# Altium PCB Spektrop2_PCB_Combined_CMV4000_V1.PcbDoc (part 3 of 6) (continued)
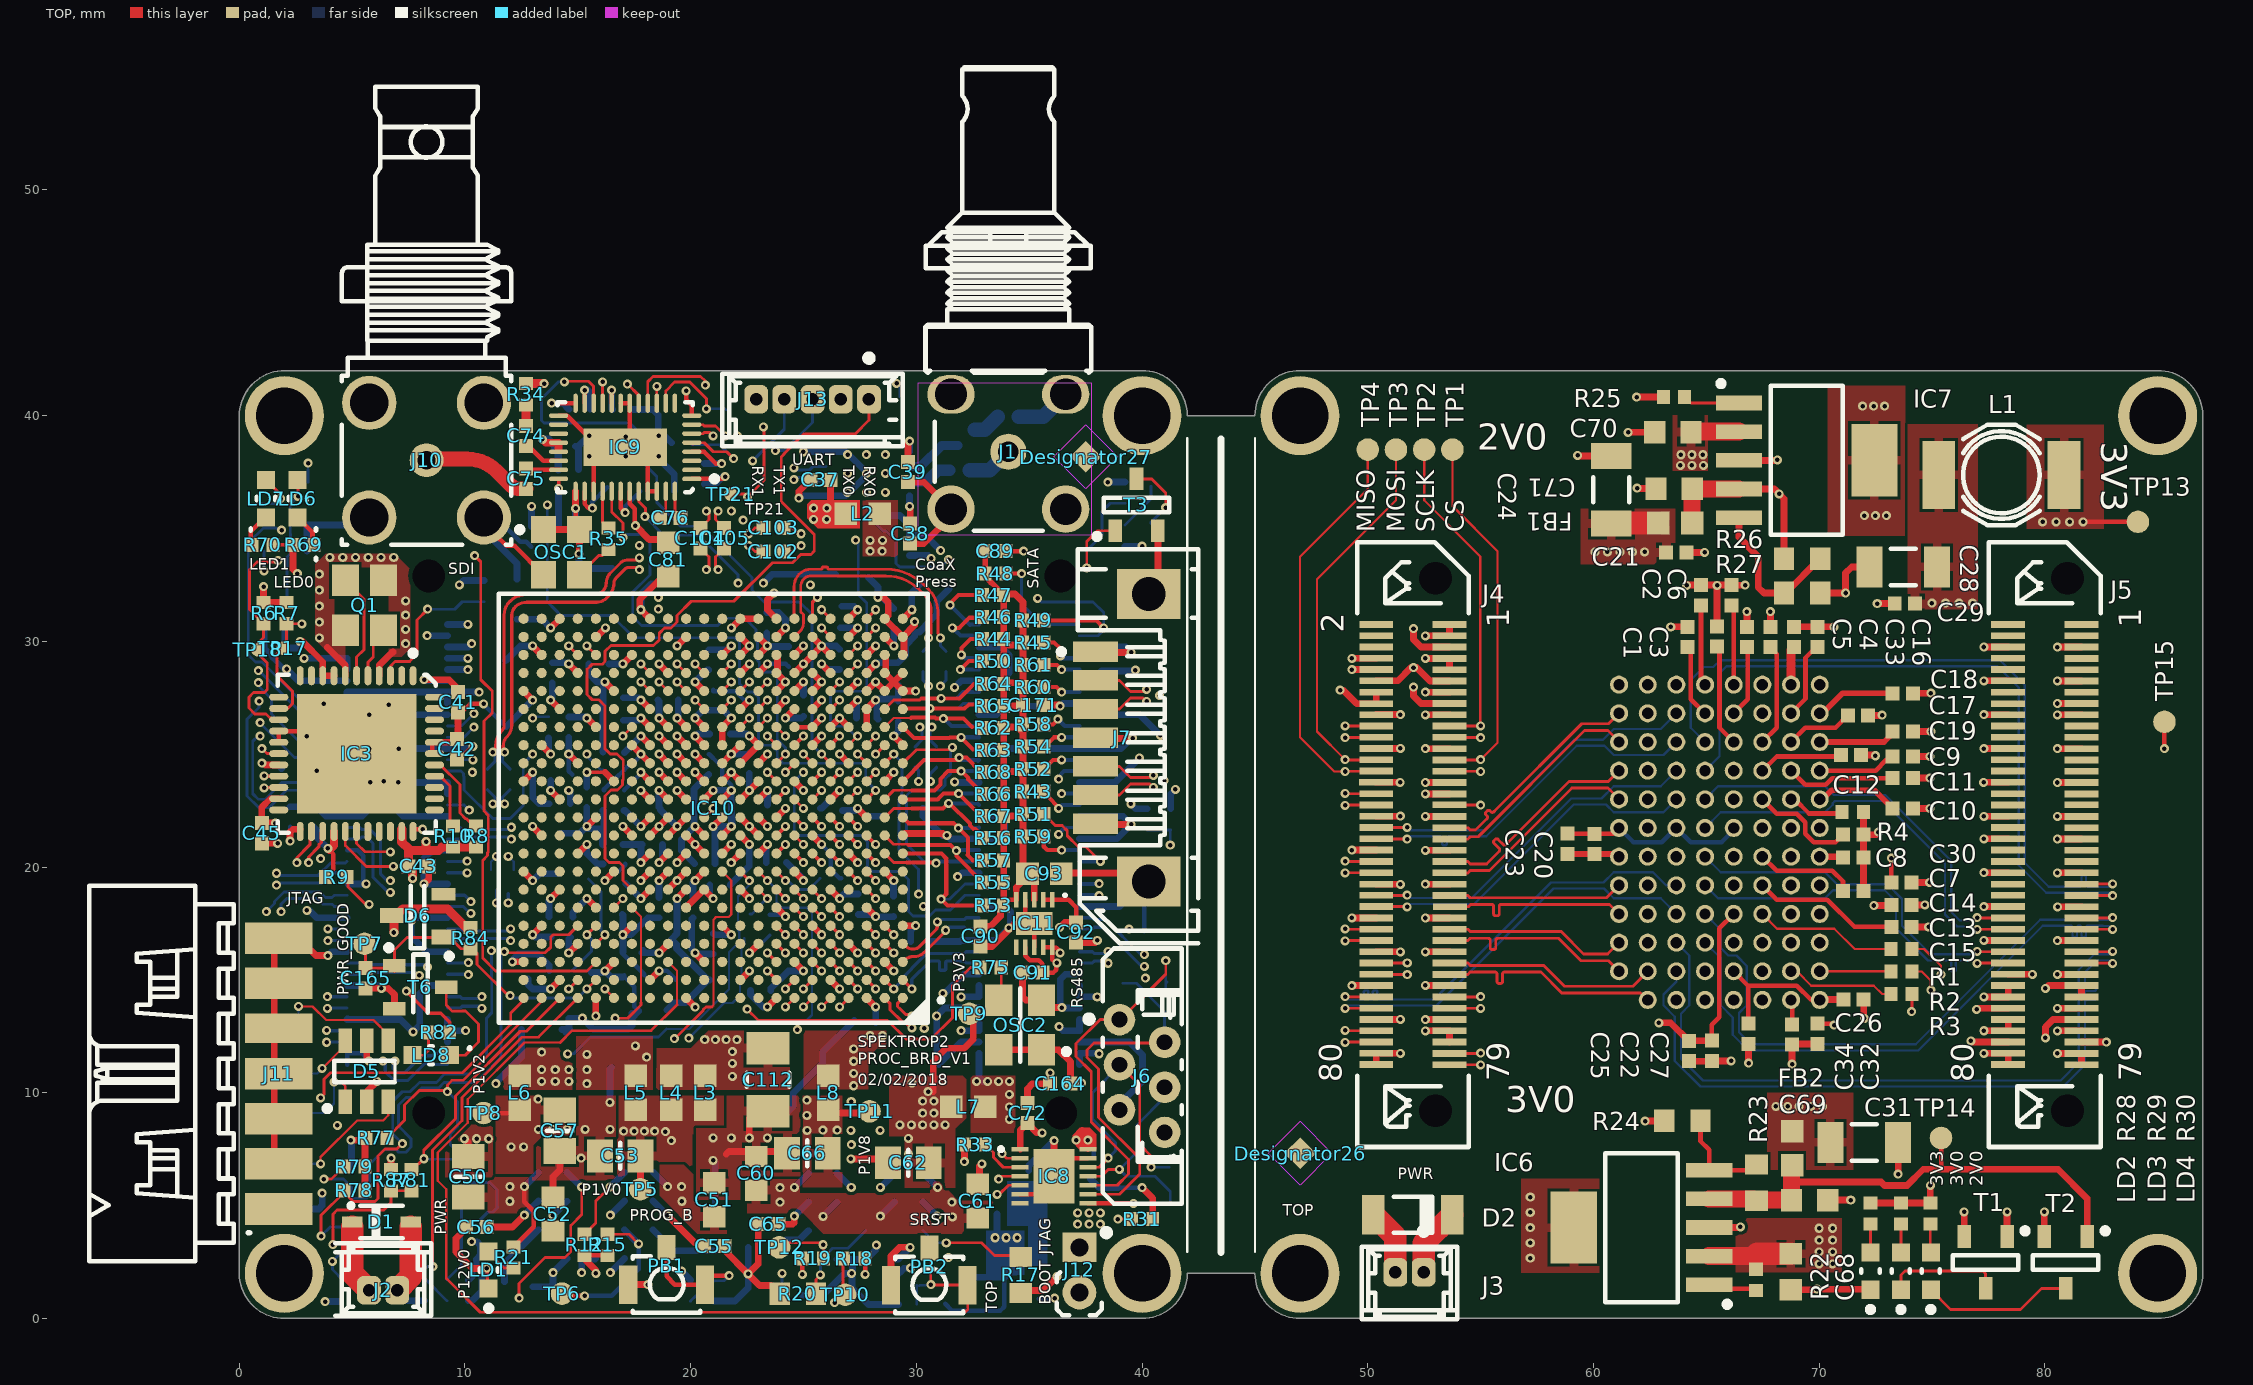
[diagram p0: TOP view]
## Nets (pads, with @x,y where several pads share a name; then routed paths per layer and width w, separated by ;. In a path a pad name is that pad's centre, name@x,y a point inside that pad or via, vN(x,y) a via of type N, cw(c..) or ccw(c..) an arc to the next point about the centre after c; other vN are vias at no path point) (continued)
  BTM w0.18: v1(36.3,23.9) 36.3,24 36.55,24.25 J9.27@37.225,24.25
FPGA_BANK34_HSTL_IO1: IC10.K8 J9.37 | length 14.6
  TOP w0.18: IC10.K8@23.799,21.4 v1(24.2,21.799)
  L2 w0.12: v1(24.2,21.799) 24.598,21.4 30.574,21.4 30.959,21.015 31.521,21.015 31.616,21.11 32.265,21.11 32.575,20.8 35.65,20.8 v1(36.3,21.45)
  BTM w0.125: v1@36.275,21.45 36.3,21.425 v1(36.3,21.45) ; 36.575,21.75 J9.37@37.225,21.75
  BTM w0.18: v1@36.275,21.45 36.575,21.75
FPGA_BANK34_HSTL_IO2: IC10.J7 J9.31 | length 23.8
  TOP w0.18: IC10.J7@24.599,20.6 v1(24.999,20.2)
  L5 w0.12: v1(24.999,20.2) 25.15,20.2 26.2,19.15 26.2,16.725 26.325,16.6 29.276,16.6 29.751,16.125 35.25,16.125 36.05,16.925 36.75,16.925 37.65,17.825 37.65,22.035 v1(36.435,23.25) v1@36.45,23.25
  BTM w0.18: v1(36.435,23.25) J9.31@37.225,23.25
FPGA_BANK34_HSTL_IO3: IC10.J2 J9.44 | length 4.5
  TOP w0.125: IC10.J2@28.599,20.6 28.999,20.2 29.586,20.2
  TOP w0.18: 29.586,20.2 30.85,20.2 v1(30.875,20.175)
  BTM w0.18: v1(30.875,20.175) 30.95,20.25 J9.44@32.775,20.25 J9.44@32.725,20.2
FPGA_BANK35_DIFF1_N: IC10.E7 J8.40 | length 24.7
  TOP w0.14: IC10.E7@24.599,17.4 v1(24.999,17)
  L5 w0.1: v1(6.7,18.875) cw(c6.972,18.603) 6.972,18.988 7.025,18.988 7.936,18.076 ccw(c10.052,20.192) 10.052,17.2 10.678,17.2 ccw(c10.678,18.097) 11.312,17.463 cw(c11.885,16.89) 11.885,17.7 12.535,17.7 cw(c12.535,15.008) 14.439,16.911 14.925,16.425 ccw(c15.529,17.029) 15.529,16.175 17.498,16.175 ccw(c17.498,16.902) 18.012,16.388 cw(c18.886,15.514) 18.886,16.75 20.475,16.75 cw(c20.475,16.207) 20.859,16.591 20.925,16.525 ccw(c21.649,17.249) 21.649,16.225 21.775,16.225 ccw(c21.775,16.885) 22.242,16.418 22.361,16.538 cw(c22.934,15.965) 22.934,16.775 23.893,16.775 24.044,16.625 24.624,16.625 v1(24.999,17)
  BTM w0.14: J8.40@4.775,21.25 5.345,21.25 5.425,21.33 5.645,21.33 5.925,21.05 5.925,19.544 6.594,18.875 v1(6.7,18.875)
FPGA_BANK35_DIFF1_P: IC10.F7 J8.38 | length 24.9
  TOP w0.14: IC10.F7@24.599,18.2 v1(24.999,17.8)
  L5 w0.1: v1(6.7,19.4) ccw(c6.972,19.672) 6.972,19.288 7.025,19.288 cw(c7.025,18.988) 7.237,19.2 8.148,18.289 ccw(c10.052,20.192) 10.052,17.5 10.678,17.5 ccw(c10.678,18.097) 11.1,17.675 cw(c11.885,16.89) 11.885,18 12.535,18 cw(c12.535,15.008) 14.651,17.124 15.137,16.637 ccw(c15.529,17.029) 15.529,16.475 17.498,16.475 ccw(c17.498,16.902) 17.8,16.6 cw(c18.886,15.514) 18.886,17.05 19.691,17.05 ccw(c19.691,17.14) 19.781,17.14 cw(c19.871,17.14) 19.871,17.23 19.891,17.23 cw(c19.891,17.14) 19.981,17.14 ccw(c20.071,17.14) 20.071,17.05 20.475,17.05 cw(c20.475,16.207) 21.071,16.803 21.137,16.737 ccw(c21.649,17.249) 21.649,16.525 21.775,16.525 ccw(c21.775,16.885) 22.03,16.63 22.149,16.75 cw(c22.934,15.965) 22.934,17.075 23.744,17.075 24.044,17.375 24.574,17.375 v1(24.999,17.8)
  BTM w0.14: J8.38@4.775,21.75 5.345,21.75 5.425,21.67 5.786,21.67 6.265,21.191 6.265,19.685 6.55,19.4 v1(6.7,19.4)
FPGA_BANK35_DIFF2_N: IC10.D6 J8.69 | length 18.1
  TOP w0.14: IC10.D6@25.399,16.6 v1(25.799,16.2)
  L2 w0.1: v1(10.75,13.737) 10.887,13.6 14.509,13.6 ccw(c14.509,14.241) 14.962,13.788 cw(c15.172,13.578) 15.172,13.875 18.482,13.875 ccw(c18.482,14.943) 19.237,14.188 cw(c20.111,13.314) 20.111,14.55 22.834,14.55 ccw(c22.834,16.216) 24.012,15.038 24.799,15.825 25.154,15.825 25.529,16.2 v1(25.799,16.2)
  BTM w0.14: J8.69@9.225,13.75 9.795,13.75 9.875,13.83 10.316,13.83 10.321,13.835 10.652,13.835 v1(10.75,13.737)
FPGA_BANK35_DIFF2_P: IC10.D7 J8.67 | length 18.1
  TOP w0.14: IC10.D7@24.599,16.6 v1(24.999,16.2)
  L2 w0.1: v1(10.75,14.262) 10.755,14.262 11.118,13.9 14.509,13.9 ccw(c14.509,14.241) 14.75,14 cw(c15.172,13.578) 15.172,14.175 18.482,14.175 ccw(c18.482,14.943) 19.025,14.4 cw(c20.111,13.314) 20.111,14.85 20.807,14.85 ccw(c20.807,14.93) 20.887,14.93 20.887,14.97 cw(c20.967,14.97) 20.967,15.05 21.007,15.05 cw(c21.007,14.97) 21.087,14.97 21.087,14.85 ccw(c21.138,14.85) 21.138,14.8 21.237,14.8 ccw(c21.237,14.85) 21.287,14.85 21.287,14.97 cw(c21.367,14.97) 21.367,15.05 21.407,15.05 cw(c21.407,14.97) 21.487,14.97 21.487,14.85 ccw(c21.538,14.85) 21.538,14.8 21.637,14.8 ccw(c21.637,14.85) 21.687,14.85 22.834,14.85 ccw(c22.834,16.216) 23.8,15.25 24.75,16.2 v1(24.999,16.2)
  BTM w0.14: J8.67@9.225,14.25 9.795,14.25 9.875,14.17 10.175,14.17 10.18,14.175 10.663,14.175 v1(10.75,14.262)
FPGA_BANK35_DIFF3_N: IC10.D8 J8.57 | length 16.8
  TOP w0.14: IC10.D8@23.799,16.6 v1(24.199,16.2)
  L2 w0.1: v1@12.017,16.734 12.662,16.089 ccw(c14.566,17.992) 14.566,15.3 14.601,15.3 ccw(c14.601,16.624) 15.537,15.688 cw(c16.713,14.512) 16.713,16.175 16.99,16.175 ccw(c16.99,17.585) 17.987,16.588 cw(c18.258,16.317) 18.258,16.7 20.313,16.7 cw(c20.313,16.188) 20.675,16.55 ccw(c21.339,17.214) 21.339,16.275 21.898,16.275 ccw(c21.898,16.702) 22.2,16.4 cw(c22.621,15.979) 22.621,16.575 23.824,16.575 v1(24.199,16.2)
  BTM w0.14: J8.57@9.225,16.75 9.795,16.75 9.875,16.83 11.927,16.83 v1(12.02,16.738)
FPGA_BANK35_DIFF3_P: IC10.E8 J8.55 | length 16.9
  TOP w0.14: IC10.E8@23.799,17.4 v1(24.199,17)
  L2 w0.1: v1(12.02,17.263) v1@12.025,17.263 ; v1@12.038,17.25 12.45,16.838 12.45,16.725 12.85,16.325 ccw(c14.601,18.076) 14.601,15.6 ccw(c14.601,16.624) 15.325,15.9 cw(c16.713,14.512) 16.713,16.475 16.99,16.475 ccw(c16.99,17.585) 17.775,16.8 cw(c18.258,16.317) 18.258,17 20.313,17 cw(c20.313,16.188) 20.887,16.762 ccw(c21.339,17.214) 21.339,16.575 21.898,16.575 ccw(c21.898,16.702) 21.988,16.612 cw(c22.621,15.979) 22.621,16.875 24.074,16.875 v1(24.199,17)
  BTM w0.14: J8.55@9.225,17.25 9.795,17.25 9.875,17.17 11.927,17.17 v1(12.02,17.263)
FPGA_BANK35_DIFF4_N: IC10.F6 J8.39 | length 19.7
  TOP w0.14: IC10.F6@25.399,18.2 v1(25.799,17.8)
  L5 w0.1: v1(12.052,21.238) 12.187,21.238 cw(c12.187,20.512) 12.7,21.025 ccw(c13.183,21.508) 13.183,20.825 13.832,20.825 cw(c13.832,20.057) 14.375,20.6 ccw(c15.401,21.626) 15.401,20.175 15.665,20.175 ccw(c15.665,21.585) 16.662,20.588 cw(c17.295,19.955) 17.295,20.85 18.385,20.85 cw(c18.385,18.46) 20.075,20.15 20.234,19.991 ccw(c21.6,21.356) 21.6,19.425 21.688,19.425 ccw(c21.688,20.237) 22.262,19.663 cw(c23.197,18.728) 23.197,20.05 23.786,20.05 cw(c23.786,19.111) 24.45,19.775 24.624,19.601 24.624,19.244 24.844,19.025 25.2,19.025 25.424,18.801 25.424,18.175 v1(25.799,17.8)
  BTM w0.14: J8.39@9.225,21.25 9.795,21.25 9.875,21.33 11.96,21.33 v1(12.052,21.238)
FPGA_BANK35_DIFF4_P: IC10.G6 J8.37 | length 19.8
  TOP w0.14: IC10.G6@25.399,19 v1(25.799,18.6)
  L5 w0.1: v1(12.052,21.763) cw(c12.052,20.954) 12.623,21.526 12.912,21.237 ccw(c13.183,21.508) 13.183,21.125 13.832,21.125 cw(c13.832,20.057) 14.587,20.812 ccw(c15.401,21.626) 15.401,20.475 15.665,20.475 ccw(c15.665,21.585) 16.45,20.8 cw(c17.295,19.955) 17.295,21.15 18.385,21.15 cw(c18.385,18.46) 20.287,20.362 20.446,20.203 ccw(c21.6,21.356) 21.6,19.725 21.688,19.725 ccw(c21.688,20.237) 22.05,19.875 cw(c23.197,18.728) 23.197,20.35 23.45,20.35 23.45,20.58 23.65,20.58 23.65,20.35 23.786,20.35 cw(c23.786,19.111) 24.662,19.987 24.875,19.775 25.154,19.775 25.374,19.555 25.374,19.275 25.799,18.85 v1(25.799,18.6)
  BTM w0.14: J8.37@9.225,21.75 9.795,21.75 9.875,21.67 11.96,21.67 v1(12.052,21.763)
FPGA_BANK35_DIFF5_N: IC10.E5 J8.51 | length 18.5
  TOP w0.14: IC10.E5@26.199,17.4 v1(26.599,17)
  L2 w0.1: v1(10.267,17.943) cw(c10.539,17.671) 10.539,18.055 10.65,18.055 10.867,17.838 ccw(c11.2,18.17) 11.2,17.7 23.768,17.7 24.044,17.425 26.174,17.425 v1(26.599,17)
  BTM w0.14: J8.51@9.225,18.25 9.926,18.25 10.233,17.943 v1(10.267,17.943)
FPGA_BANK35_DIFF5_P: IC10.F5 J8.49 | length 18.6
  TOP w0.14: IC10.F5@26.199,18.2 v1(26.599,17.8)
  L2 w0.1: v1(10.267,18.468) ccw(c10.539,18.739) 10.539,18.355 10.65,18.355 cw(c10.65,18.055) 10.862,18.267 11.08,18.05 ; 11.08,18.05 ccw(c11.2,18.17) 11.2,18 22.025,18 cw(c22.125,18) 22.125,18.1 22.225,18.1 cw(c22.225,18) 22.325,18 23.525,18 23.7,18.175 26.224,18.175 v1(26.599,17.8)
  BTM w0.14: J8.49@9.225,18.75 9.985,18.75 v1(10.267,18.468)
FPGA_BANK35_DIFF6_N: IC10.G7 J8.45 | length 17.9
  TOP w0.14: IC10.G7@24.599,19 v1(24.999,18.6)
  L5 w0.1: v1(10.094,19.738) cw(c10.366,19.466) 10.366,19.85 10.765,19.85 cw(c10.765,19.765) 10.825,19.825 ccw(c11.368,20.368) 11.368,19.6 12.148,19.6 ccw(c12.148,20.327) 12.662,19.813 cw(c12.752,19.723) 12.752,19.85 13.15,19.85 cw(c13.15,19.005) 13.747,19.603 14.441,18.909 cw(c14.057,18.525) 14.6,18.525 ccw(c15.141,18.525) 14.759,18.142 14.913,17.988 ccw(c15.487,18.562) 15.487,17.75 23.619,17.75 24.044,18.175 24.574,18.175 v1(24.999,18.6)
  BTM w0.125: v1@10.082,19.75 v1(10.094,19.738)
  BTM w0.14: J8.45@9.225,19.75 v1@10.082,19.75
FPGA_BANK35_DIFF6_P: IC10.G8 J8.43 | length 17.9
  TOP w0.14: IC10.G8@23.799,19 v1(24.199,18.6)
  L5 w0.1: v1(10.094,20.263) ccw(c10.366,20.534) 10.366,20.15 10.765,20.15 cw(c10.765,19.765) 11.037,20.037 ccw(c11.368,20.368) 11.368,19.9 12.148,19.9 ccw(c12.148,20.327) 12.45,20.025 cw(c12.752,19.723) 12.752,20.15 13.15,20.15 cw(c13.15,19.005) 13.96,19.815 14.653,19.121 cw(c14.057,18.525) 14.9,18.525 ccw(c15.141,18.525) 14.971,18.354 15.125,18.2 ccw(c15.487,18.562) 15.487,18.05 21.26,18.05 ccw(c21.26,18.14) 21.35,18.14 21.35,18.238 cw(c21.44,18.238) 21.44,18.328 21.46,18.328 cw(c21.46,18.238) 21.55,18.238 21.55,18.05 ccw(c21.6,18.05) 21.6,18 21.7,18 ccw(c21.7,18.05) 21.75,18.05 21.75,18.246 cw(c21.84,18.246) 21.84,18.336 21.86,18.336 cw(c21.86,18.246) 21.95,18.246 21.95,18.14 ccw(c22.04,18.14) 22.04,18.05 23.524,18.05 23.985,18.511 ; 23.985,18.511 cw(c24.199,18.297) v1(24.199,18.6)
  BTM w0.125: v1@10.082,20.25 v1(10.094,20.263)
  BTM w0.14: J8.43@9.225,20.25 v1@10.082,20.25
FPGA_BANK35_DIFF7_N: IC10.B8 J8.63 | length 16.8
  TOP w0.14: v1(23.399,15.4) IC10.B8@23.799,15
  L5 w0.1: v1(10.15,15.238) cw(c10.15,14.712) 10.521,15.084 11.28,14.325 11.28,14.156 ccw(c11.856,14.156) 11.449,13.749 11.678,13.519 ccw(c12.075,13.916) 12.075,13.355 12.609,13.355 ccw(c12.609,14.191) 13.2,13.6 cw(c13.876,12.924) 13.876,13.88 18.227,13.88 ccw(c18.227,14.973) 19,14.2 cw(c19.821,13.379) 19.821,14.54 21.125,14.54 21.155,14.54 cw(c21.155,14.47) 21.225,14.47 ccw(c21.295,14.47) 21.295,14.4 21.355,14.4 ccw(c21.355,14.47) 21.425,14.47 cw(c21.495,14.47) 21.495,14.54 22.075,14.54 22.933,14.54 23.395,15.002 v1@23.395,15.375 ; v1@23.336,15.396 23.34,15.4 v1(23.399,15.4)
  BTM w0.125: v1@10.138,15.25 v1(10.15,15.238)
  BTM w0.14: J8.63@9.225,15.25 v1@10.138,15.25
FPGA_BANK35_DIFF7_P: IC10.C8 J8.61 | length 17.1
  TOP w0.14: v1(23.399,16.2) IC10.C8@23.799,15.8
  L5 w0.1: v1(10.15,15.763) 10.163,15.763 10.368,15.557 cw(c10.368,15.238) 10.594,15.464 11.506,14.551 cw(c11.28,14.325) 11.6,14.325 11.6,14.156 ccw(c11.856,14.156) 11.675,13.975 11.904,13.746 ; 11.905,13.745 ccw(c12.075,13.916) 12.075,13.675 12.609,13.675 ccw(c12.609,14.191) 12.974,13.826 cw(c13.876,12.924) 13.876,14.2 18.227,14.2 ccw(c18.227,14.973) 18.774,14.426 cw(c19.821,13.379) 19.821,14.86 22.8,14.86 23,15.06 23,15.8 v1(23.399,16.2)
  BTM w0.125: v1@10.138,15.75 v1(10.15,15.763)
  BTM w0.14: J8.61@9.225,15.75 v1@10.138,15.75
FPGA_BANK35_DIFF8_N: IC10.B6 J8.64 | length 27.8
  TOP w0.14: v1(24.999,14.6) IC10.B6@25.399,15
  L2 w0.1: v1(7.975,15.2) cw(c7.975,14.816) 8.247,15.087 8.33,15.005 cw(c7.677,14.352) 8.6,14.352 8.6,13.44 ccw(c11.592,13.44) 9.476,11.324 11.024,9.776 ccw(c13.14,11.892) 13.14,8.9 18.196,8.9 ccw(c18.196,10.054) 19.012,9.238 cw(c20.49,7.76) 20.49,9.85 21.7,9.85 ccw(c21.7,10.754) 22.339,10.115 22.537,10.313 ccw(c21.903,10.947) 22.8,10.947 22.8,11.2 cw(c24.067,11.2) 23.171,12.096 24.624,13.549 24.624,13.955 24.999,14.33 v1(24.999,14.6)
  BTM w0.14: J8.64@4.775,15.25 5.345,15.25 5.425,15.33 7.845,15.33 v1(7.975,15.2)
FPGA_BANK35_DIFF8_P: IC10.B7 J8.62 | length 27.9
  TOP w0.14: v1(24.199,14.6) IC10.B7@24.599,15
  L2 w0.1: v1(8.346,15.571) ccw(c8.73,15.571) 8.459,15.3 8.542,15.217 cw(c7.677,14.352) 8.9,14.352 8.9,13.44 ccw(c11.592,13.44) 9.689,11.536 11.236,9.989 ccw(c13.14,11.892) 13.14,9.2 18.196,9.2 ccw(c18.196,10.054) 18.8,9.45 cw(c20.49,7.76) 20.49,10.15 21.7,10.15 ccw(c21.7,10.754) 22.127,10.327 22.325,10.525 ccw(c21.903,10.947) 22.5,10.947 22.5,11.2 cw(c24.067,11.2) 22.959,12.308 22.973,12.323 ccw(c22.917,12.379) 22.973,12.436 22.958,12.451 cw(c23.014,12.508) 22.958,12.564 22.986,12.592 cw(c23.043,12.536) 23.099,12.592 23.171,12.52 ccw(c23.207,12.556) 23.242,12.52 23.313,12.591 ; 23.313,12.591 ccw(c23.277,12.627) 23.313,12.662 23.241,12.734 cw(c23.297,12.79) 23.241,12.847 23.269,12.875 cw(c23.326,12.819) 23.382,12.875 23.398,12.86 ccw(c23.454,12.916) 23.511,12.86 23.824,13.173 23.824,13.955 24.125,14.256 24.125,14.6 v1@24.125,14.675
  BTM w0.14: J8.62@4.775,15.75 5.345,15.75 5.425,15.67 8.247,15.67 v1(8.346,15.571)
FPGA_BANK35_DIFF9_N: IC10.A6 J8.70 | length 25.9
  TOP w0.14: v1(24.999,13.8) IC10.A6@25.399,14.2
  L5 w0.1: v1(3.9,13.737) 3.963,13.675 9.475,13.675 cw(c9.475,13.011) 9.944,13.481 10.4,13.025 ccw(c12.09,14.715) 12.09,12.325 14.795,12.325 cw(c14.795,10.02) 16.425,11.65 17.324,10.751 ccw(c19.439,12.867) 19.439,9.875 21.75,9.875 ccw(c21.75,10.718) 22.346,10.122 22.462,10.238 ccw(c21.646,11.054) 22.8,11.054 22.8,11.074 cw(c24.433,11.074) 23.278,12.228 24.744,13.694 cw(c24.999,13.438) v1(24.999,13.8)
  BTM w0.125: v1(3.9,13.737) v1@3.913,13.75
  BTM w0.14: v1@3.913,13.75 J8.70@4.775,13.75
FPGA_BANK35_DIFF9_P: IC10.A7 J8.68 | length 25.9
  TOP w0.14: v1(24.199,13.8) IC10.A7@24.599,14.2
  L5 w0.1: v1(3.9,14.262) 3.905,14.262 4.193,13.975 9.475,13.975 cw(c9.475,13.011) 10.157,13.693 10.612,13.237 ccw(c12.09,14.715) 12.09,12.625 14.795,12.625 cw(c14.795,10.02) 16.637,11.862 17.536,10.964 ccw(c19.439,12.867) 19.439,10.175 19.91,10.175 19.95,10.215 19.95,10.315 19.99,10.355 20.11,10.355 20.15,10.315 20.15,10.165 20.19,10.125 20.31,10.125 20.35,10.165 20.35,10.315 20.39,10.355 20.51,10.355 20.55,10.315 20.55,10.165 20.59,10.125 20.71,10.125 20.75,10.165 20.76,10.175 21.75,10.175 ccw(c21.75,10.718) 22.134,10.334 22.25,10.45 ccw(c21.646,11.054) 22.5,11.054 22.5,11.074 cw(c24.433,11.074) 23.066,12.44 24.039,13.414 ccw(c23.653,13.8) v1(24.199,13.8)
  BTM w0.125: v1(3.9,14.262) v1@3.913,14.25
  BTM w0.14: v1@3.913,14.25 J8.68@4.775,14.25
FPGA_BANK35_DIFF10_N: IC10.A4 J8.79 | length 32.8
  TOP w0.14: v1(26.599,13.8) IC10.A4@26.999,14.2
  L5 w0.1: v1(6.375,11.4) cw(c6.103,11.128) 6.488,11.128 6.488,10.328 ccw(c9.48,10.328) 7.364,8.212 7.705,7.871 ccw(c8.6,8.766) 8.6,7.5 8.807,7.5 cw(c8.807,6.732) 9.35,7.275 9.424,7.201 ccw(c11.539,9.317) 11.539,6.325 22.664,6.325 ccw(c22.664,8.161) 23.962,6.863 24.113,7.014 ccw(c22.876,8.25) 24.625,8.25 24.625,9.533 cw(c26.417,9.533) 25.15,10.8 25.474,11.124 ccw(c23.358,13.239) 26.35,13.239 26.35,13.55 v1(26.599,13.8)
  BTM w0.14: v1(6.375,11.4) 6.468,11.308 6.468,10.934 6.854,10.548 7.478,10.548 8.231,11.3 8.605,11.3 8.655,11.25 J8.79@9.225,11.25
FPGA_BANK35_DIFF10_P: IC10.A5 J8.77 | length 32.7
  TOP w0.14: v1(25.799,13.8) IC10.A5@26.199,14.2
  L5 w0.1: v1(6.9,11.4) ccw(c7.172,11.128) 6.788,11.128 6.788,10.328 ccw(c9.48,10.328) 7.576,8.424 7.917,8.083 ccw(c8.6,8.766) 8.6,7.8 8.807,7.8 cw(c8.807,6.732) 9.562,7.487 9.636,7.414 ccw(c11.539,9.317) 11.539,6.625 21.335,6.625 21.375,6.665 21.375,6.831 21.415,6.871 21.535,6.871 21.575,6.831 21.575,6.615 21.615,6.575 21.735,6.575 21.775,6.615 21.775,6.831 21.815,6.871 21.935,6.871 21.975,6.831 21.975,6.615 22.015,6.575 22.135,6.575 22.175,6.615 22.175,6.831 22.215,6.871 22.335,6.871 22.375,6.831 22.375,6.665 22.415,6.625 22.664,6.625 ccw(c22.664,8.161) 23.75,7.075 23.901,7.226 ccw(c22.876,8.25) 24.325,8.25 24.325,9.533 cw(c26.417,9.533) 24.938,11.012 25.261,11.336 ccw(c23.358,13.239) 26.05,13.239 26.05,13.549 v1(25.799,13.8)
  BTM w0.14: v1(6.9,11.4) 6.808,11.308 6.808,11.075 6.995,10.888 7.338,10.888 8.09,11.64 8.545,11.64 8.655,11.75 J8.77@9.225,11.75
FPGA_BANK35_DIFF11_N: IC10.C5 J8.58 | length 36.5
  TOP w0.14: IC10.C5@26.199,15.8 v1(26.599,15.4)
  L2 w0.1: v1(3.925,16.738) cw(c4.197,16.466) 4.197,16.85 4.325,16.85 cw(c4.325,16.488) 4.581,16.744 4.675,16.65 cw(c3.89,15.865) 5,15.865 5,11.815 ccw(c7.992,11.815) 5.876,9.699 7.649,7.927 ccw(c8.475,8.753) 8.475,7.585 8.548,7.585 cw(c8.548,6.698) 9.175,7.325 9.249,7.251 ccw(c11.364,9.367) 11.364,6.375 17.71,6.375 ccw(c17.71,8.824) 19.441,7.092 20.656,8.306 cw(c21.425,7.537) 21.425,8.625 ccw(c21.425,11.037) 23.131,9.332 23.628,9.829 ccw(c23.032,10.425) 23.875,10.425 cw(c24.479,10.425) 24.052,10.852 26.174,12.974 26.174,13.955 26.025,14.104 26.025,14.825 v1(26.599,15.4)
  BTM w0.125: v1(3.925,16.738) v1@3.938,16.75
  BTM w0.14: v1@3.938,16.75 J8.58@4.775,16.75
FPGA_BANK35_DIFF11_P: IC10.C6 J8.56 | length 36.5
  TOP w0.14: IC10.C6@25.399,15.8 v1(25.799,15.4)
  L2 w0.1: v1(3.925,17.263) ccw(c4.197,17.534) 4.197,17.15 4.325,17.15 cw(c4.325,16.488) 4.793,16.956 4.887,16.862 cw(c3.89,15.865) 5.3,15.865 5.3,11.815 ccw(c7.992,11.815) 6.089,9.911 7.861,8.139 ccw(c8.475,8.753) 8.475,7.885 8.548,7.885 cw(c8.548,6.698) 9.387,7.537 9.461,7.464 ccw(c11.364,9.367) 11.364,6.675 17.71,6.675 ccw(c17.71,8.824) 19.229,7.304 20.443,8.518 cw(c21.425,7.537) 21.425,8.925 ccw(c21.425,11.037) 22.919,9.544 23.416,10.041 ccw(c23.032,10.425) 23.575,10.425 cw(c24.479,10.425) 23.84,11.064 24.039,11.263 ; 24.039,11.377 23.979,11.437 cw(c24.036,11.493) 23.979,11.55 24.007,11.578 cw(c24.064,11.521) 24.121,11.578 24.237,11.461 ccw(c24.273,11.497) 24.308,11.461 24.379,11.532 ; 24.039,11.264 ccw(c23.983,11.32) 24.039,11.376 ; 24.379,11.532 ccw(c24.343,11.567) 24.379,11.603 24.262,11.719 cw(c24.319,11.776) 24.262,11.832 24.29,11.861 cw(c24.347,11.804) 24.403,11.861 24.463,11.801 ccw(c24.52,11.857) 24.576,11.801 25.424,12.648 25.424,13.955 25.725,14.256 25.725,15.325 v1(25.799,15.4)
  BTM w0.125: v1(3.925,17.263) v1@3.938,17.25
  BTM w0.14: v1@3.938,17.25 J8.56@4.775,17.25
FPGA_BANK35_DIFF12_N: IC10.C4 J8.46 | length 50.3
  TOP w0.125: v1(1.65,19.2) v1@1.65,19.25
  TOP w0.14: IC10.C4@26.999,15.8 v1(27.399,15.4)
  L2 w0.1: v1(1.65,19.2) cw(c1.763,19.2) 1.763,19.313 1.975,19.313 cw(c1.975,18.988) 2.3,18.988 2.3,14.968 cw(c1.532,14.968) 2.075,14.425 ccw(c2.497,14.003) 1.9,14.003 1.9,13.35 ccw(c2.381,13.35) 2.041,13.01 2.163,12.888 cw(c2.013,12.738) 2.225,12.738 2.225,10.24 ccw(c5.217,10.24) 3.101,8.124 6.524,4.701 ccw(c8.64,6.817) 8.64,3.825 19.21,3.825 ccw(c19.21,6.817) 21.326,4.701 24.062,7.438 ccw(c22.462,9.038) 24.725,9.038 24.725,9.596 cw(c25.82,9.596) 25.046,10.371 27.114,12.439 cw(c27.171,12.383) 27.227,12.439 27.378,12.289 ccw(c27.434,12.345) 27.491,12.289 27.519,12.317 ccw(c27.463,12.374) 27.519,12.43 27.369,12.581 cw(c27.425,12.637) 27.369,12.694 27.8,13.125 27.8,14.974 27.399,15.375 v1(27.399,15.4)
  BTM w0.14: v1(1.65,19.2) 1.743,19.293 3.648,19.293 4.106,19.75 J8.46@4.775,19.75
FPGA_BANK35_DIFF12_P: IC10.D5 J8.44 | length 50.2
  TOP w0.14: IC10.D5@26.199,16.6 v1(26.599,16.2)
  L2 w0.1: v1(1.65,19.725) ccw(c1.762,19.725) 1.762,19.613 1.975,19.613 cw(c1.975,18.968) 2.62,18.968 2.62,15.016 cw(c1.484,15.016) 2.287,14.213 ccw(c2.497,14.003) 2.2,14.003 2.2,13.35 ccw(c2.381,13.35) 2.253,13.222 2.375,13.1 cw(c2.013,12.738) 2.525,12.738 2.525,10.24 ccw(c5.217,10.24) 3.314,8.336 6.736,4.914 ccw(c8.64,6.817) 8.64,4.125 19.21,4.125 ccw(c19.21,6.817) 21.114,4.914 23.85,7.65 ccw(c22.462,9.038) 24.425,9.038 24.425,9.596 cw(c25.82,9.596) 24.834,10.583 27.5,13.249 27.5,13.968 26.975,14.493 26.975,15.824 v1(26.599,16.2)
  BTM w0.14: v1(1.65,19.725) 1.742,19.633 3.507,19.633 4.055,20.18 4.705,20.18 J8.44@4.775,20.25
FPGA_BANK35_DIFF13_N: IC10.B3 J8.76 | length 42.7
  TOP w0.14: IC10.B3@27.799,15 v1(28.199,14.6)
  L5 w0.1: v1(3.875,12.237) cw(c4.122,11.99) 4.122,12.34 4.375,12.34 cw(c4.375,11.954) 4.648,12.227 4.775,12.1 cw(c4.413,11.738) 4.925,11.738 4.925,9.691 ccw(c6.116,9.691) 5.274,8.849 cw(c4.426,8.001) 5.625,8.001 5.625,7.507 ccw(c8.485,7.507) 6.463,5.485 7.305,4.643 ccw(c9.327,6.665) 9.327,3.805 26.4,3.805 ccw(c26.4,5.03) 27.266,4.164 27.551,4.449 ccw(c26.661,5.339) 27.92,5.339 27.92,8.864 cw(c28.961,8.864) 28.225,9.6 28.632,10.007 ccw(c26.791,11.849) 29.395,11.849 29.395,12.945 ccw(c27.795,12.945) 28.926,14.076 28.458,14.545 28.254,14.545 v1(28.199,14.6)
  BTM w0.125: v1(3.875,12.237) v1@3.888,12.25
  BTM w0.14: v1@3.888,12.25 J8.76@4.775,12.25
FPGA_BANK35_DIFF13_P: IC10.B4 J8.74 | length 42.8
  TOP w0.14: IC10.B4@26.999,15 v1(27.399,14.6)
  L5 w0.1: v1(3.875,12.762) ccw(c4.122,13.01) 4.122,12.66 4.375,12.66 cw(c4.375,11.954) 4.874,12.453 5.001,12.326 cw(c4.413,11.738) 5.245,11.738 5.245,9.691 ccw(c6.116,9.691) 5.5,9.075 cw(c4.426,8.001) 5.945,8.001 5.945,7.507 ccw(c8.485,7.507) 6.689,5.711 7.531,4.869 ccw(c9.327,6.665) 9.327,4.125 26.45,4.125 ccw(c26.45,4.91) 27.005,4.355 27.325,4.675 ccw(c26.661,5.339) 27.6,5.339 27.6,8.864 cw(c28.961,8.864) 27.999,9.826 28.406,10.234 ccw(c26.791,11.849) 29.075,11.849 29.075,11.925 29.075,11.955 ccw(c29.005,11.955) 29.005,12.025 cw(c29.005,12.095) 28.935,12.095 28.935,12.155 cw(c29.005,12.155) 29.005,12.225 ccw(c29.005,12.295) 29.075,12.295 29.075,12.775 29.075,12.945 ccw(c27.795,12.945) 28.7,13.85 28.325,14.225 28.044,14.225 27.669,14.6 v1(27.399,14.6)
  BTM w0.125: v1(3.875,12.762) v1@3.888,12.75
  BTM w0.14: v1@3.888,12.75 J8.74@4.775,12.75
FPGA_BANK35_DIFF14_N: IC10.C3 J9.61 | length 12.9
  TOP w0.14: IC10.C3@27.799,15.8 v1(28.199,15.4)
  L5 w0.1: v1(28.199,15.4) 28.624,14.975 29.154,14.975 30.225,14.975 cw(c30.225,14.9) 30.3,14.9 30.3,14.877 ccw(c30.39,14.877) 30.39,14.787 30.41,14.787 ccw(c30.41,14.877) 30.5,14.877 30.5,14.885 cw(c30.59,14.885) 30.59,14.975 36.751,14.975 ccw(c36.751,15.874) 37.387,15.238 37.832,15.683 cw(c38.175,15.34) 38.175,15.825 38.289,15.825 cw(c38.289,15.526) v1(38.5,15.737)
  BTM w0.125: v1@38.487,15.75 v1(38.5,15.737)
  BTM w0.14: J9.61@37.225,15.75 37.795,15.75 37.875,15.83 38.407,15.83 v1@38.487,15.75
FPGA_BANK35_DIFF14_P: IC10.D3 J9.59 | length 12.9
  TOP w0.14: IC10.D3@27.799,16.6 v1(28.199,16.2)
  L5 w0.1: v1(28.199,16.2) 28.624,15.775 29.154,15.775 29.654,15.275 36.751,15.275 ccw(c36.751,15.874) 37.175,15.45 37.62,15.895 cw(c38.175,15.34) 38.175,16.125 ccw(c38.175,16.578) 38.495,16.258 v1(38.5,16.262)
  BTM w0.125: v1@38.487,16.25 v1(38.5,16.262)
  BTM w0.14: J9.59@37.225,16.25 37.795,16.25 37.875,16.17 38.408,16.17 v1@38.487,16.25
FPGA_BANK35_DIFF15_N: IC10.A1 J8.52 | length 58.3
  TOP w0.125: 29.169,13.828 29.297,13.7
  TOP w0.14: 29.169,13.828 29.169,13.97 IC10.A1@29.399,14.2 ; 29.297,13.7 29.53,13.468 29.733,13.468 v1(29.8,13.4)
  L2 w0.1: v1(1.85,18.025) 1.72,17.895 1.72,15.202 cw(c0.973,15.202) 1.501,14.674 ccw(c1.746,14.429) 1.4,14.429 1.4,12.987 ccw(c1.912,12.987) 1.55,12.625 cw(c1.324,12.399) 1.644,12.399 1.644,6.758 ccw(c2.433,6.758) 1.875,6.2 2.689,5.386 ccw(c3.5,6.197) 3.5,5.05 3.962,5.05 cw(c3.962,3.262) 5.226,4.526 5.984,3.769 ccw(c7.78,5.565) 7.78,3.025 16.692,3.025 cw(c16.692,2.517) 17.051,2.876 ccw(c17.235,3.06) 17.235,2.8 28.026,2.8 ccw(c28.026,3.824) 28.75,3.1 ccw(c28.267,3.583) 28.95,3.583 28.95,6.117 ccw(c28.267,6.117) 28.75,6.6 27.884,7.466 cw(c28.618,8.2) 27.58,8.2 27.58,9.06 cw(c30.29,9.06) 28.374,10.976 28.639,11.242 ; 28.639,11.341 28.43,11.55 cw(c28.479,11.599) 28.43,11.649 28.472,11.691 cw(c28.522,11.642) 28.571,11.691 28.83,11.433 ccw(c28.88,11.482) 28.929,11.432 28.971,11.475 ; 28.639,11.242 ccw(c28.59,11.291) 28.639,11.34 ; 28.713,11.833 cw(c28.762,11.882) 28.713,11.931 ; 28.713,11.833 28.971,11.574 cw(c28.922,11.524) 28.972,11.475 ; 28.713,11.932 28.755,11.974 cw(c28.805,11.925) 28.854,11.974 ; 28.854,11.974 29.063,11.765 ccw(c29.113,11.814) 29.162,11.765 29.325,11.928 29.325,12.975 29.525,13.175 29.575,13.175 v1(29.8,13.4)
  BTM w0.125: v1(1.85,18.025) 1.85,18.35 2.105,18.605 3.45,18.605 3.703,18.353 4.11,18.353 4.213,18.25 J8.52@4.775,18.25
FPGA_BANK35_DIFF15_P: IC10.A2 J8.50 | length 58.3
  TOP w0.14: IC10.A2@28.599,14.2 28.829,13.97 28.829,13.687 29.389,13.128 29.503,13.128 29.571,13.06 29.581,13.06 29.766,12.875 v1(29.8,12.875)
  L2 w0.1: v1(1.2,18.025) 1.4,17.825 1.4,15.202 cw(c0.973,15.202) 1.275,14.9 ccw(c1.746,14.429) 1.08,14.429 1.08,12.987 ccw(c1.912,12.987) 1.324,12.399 1.324,6.758 ccw(c2.433,6.758) 1.649,5.974 2.463,5.16 ccw(c3.5,6.197) 3.5,4.73 3.962,4.73 cw(c3.962,3.262) 5,4.3 5.757,3.543 ccw(c7.78,5.565) 7.78,2.705 16.692,2.705 cw(c16.692,2.517) 16.825,2.65 ccw(c17.235,3.06) 17.235,2.48 28.026,2.48 ccw(c28.026,3.824) 28.976,2.874 ccw(c28.267,3.583) 29.27,3.583 29.27,6.117 ccw(c28.267,6.117) 28.976,6.826 28.11,7.692 cw(c28.618,8.2) 27.9,8.2 27.9,9.06 cw(c30.29,9.06) 28.6,10.75 29.77,11.92 v1@29.77,12.85 ; v1@29.74,12.875 v1(29.8,12.875)
  BTM w0.125: v1(1.2,18.025) 1.555,18.38 1.555,18.472 1.983,18.9 3.572,18.9 3.825,18.648 4.11,18.648 4.213,18.75 J8.50@4.775,18.75
FPGA_BANK35_DIFF16_N: IC10.C1 J9.56 | length 4
  TOP w0.14: IC10.C1@29.399,15.8 29.469,15.87 cw(c29.855,15.483) 29.855,16.03 29.9,16.03 ccw(c29.9,16.658) 30.344,16.214 v1@31.315,17.185
  BTM w0.14: v1(31.3,17.2) 31.43,17.33 32.125,17.33 32.205,17.25 J9.56@32.775,17.25
FPGA_BANK35_DIFF16_P: IC10.D1 J9.54 | length 4.2
  TOP w0.14: IC10.D1@29.399,16.6 29.469,16.53 ccw(c29.855,16.916) 29.855,16.37 29.9,16.37 ccw(c29.9,16.658) 30.104,16.454 30.905,17.255 30.905,17.279 cw(c30.985,17.279) 30.929,17.335 v1(30.929,17.571)
  BTM w0.14: v1(30.929,17.571) 31.028,17.67 32.125,17.67 32.205,17.75 J9.54@32.775,17.75
FPGA_BANK35_DIFF17_N: IC10.D2 J9.55 | length 16.2
  TOP w0.14: IC10.D2@28.599,16.6 v1(28.999,16.2)
  L2 w0.1: v1(28.999,16.2) 29.178,16.378 cw(c29.35,16.206) 29.35,16.45 cw(c29.35,16.147) 29.564,16.361 30.074,15.851 ccw(c32.189,17.967) 32.189,14.975 38.425,14.975 ccw(c38.425,16.06) 39.192,15.293 39.56,15.661 cw(c39.775,15.446) 39.775,15.75 39.95,15.75 v1(40.1,15.6)
  BTM w0.14: J9.55@37.225,17.25 37.795,17.25 37.875,17.33 38.245,17.33 39.975,15.6 v1(40.1,15.6)
FPGA_BANK35_DIFF17_P: IC10.E2 J9.53 | length 16.3
  TOP w0.14: IC10.E2@28.599,17.4 v1(28.999,17)
  L2 w0.1: v1(28.999,17) 29.178,16.821 ccw(c29.35,16.993) 29.35,16.75 cw(c29.35,16.147) 29.776,16.573 30.286,16.064 ccw(c32.189,17.967) 32.189,15.275 36.945,15.275 ccw(c36.945,15.355) 37.025,15.355 cw(c37.105,15.355) 37.105,15.435 37.145,15.435 cw(c37.145,15.355) 37.225,15.355 ccw(c37.305,15.355) 37.305,15.275 38.425,15.275 ccw(c38.425,16.06) 38.98,15.505 39.348,15.873 cw(c39.775,15.446) 39.775,16.05 40.1,16.05 v1@40.18,16.05
  BTM w0.14: J9.53@37.225,17.75 37.795,17.75 37.875,17.67 38.386,17.67 39.931,16.125 v1(40.1,16.125)
FPGA_BANK35_DIFF18_N: IC10.B1 J9.62 | length 5
  TOP w0.14: IC10.B1@29.399,15 v1(29.799,14.6)
  BTM w0.14: v1(29.799,14.6) 29.799,15.024 30.605,15.83 30.969,15.83 cw(c30.969,15.774) 31.025,15.774 31.025,15.486 ccw(c31.081,15.486) 31.081,15.43 31.249,15.43 ccw(c31.249,15.486) 31.305,15.486 31.305,15.774 cw(c31.361,15.774) 31.361,15.83 32.125,15.83 32.205,15.75 J9.62@32.775,15.75
FPGA_BANK35_DIFF18_P: IC10.B2 J9.60 | length 5.1
  TOP w0.14: IC10.B2@28.599,15 v1(28.999,14.6)
  BTM w0.14: v1(28.999,14.6) 29.459,15.06 29.459,15.165 30.135,15.84 30.464,16.17 32.125,16.17 32.205,16.25 J9.60@32.775,16.25
FPGA_BANK35_DIFF19_N: IC10.H3 J9.49 | length 12.9
  TOP w0.14: IC10.H3@27.799,19.8 v1(28.199,19.4)
  L2 w0.1: v1(28.199,19.4) 28.324,19.525 28.479,19.525 28.729,19.775 29.15,19.775 cw(c29.15,19.534) 29.321,19.704 29.665,19.36 ccw(c30.1,19.796) 30.1,19.18 30.147,19.18 cw(c30.147,18.822) 30.4,19.075 ccw(c30.69,19.365) 30.69,18.955 31.317,18.955 31.432,18.84 31.655,18.84 cw(c31.655,18.77) 31.725,18.77 31.725,18.635 ccw(c31.795,18.635) 31.795,18.565 31.855,18.565 ccw(c31.855,18.635) 31.925,18.635 31.925,18.84 cw(c31.995,18.84) 31.995,18.91 32.055,18.91 cw(c32.055,18.84) 32.125,18.84 32.125,18.635 ccw(c32.195,18.635) 32.195,18.565 32.255,18.565 ccw(c32.255,18.635) 32.325,18.635 32.325,18.77 cw(c32.395,18.77) 32.395,18.84 37.997,18.84 v1(38.1,18.738)
  BTM w0.125: v1@38.088,18.75 v1(38.1,18.738)
  BTM w0.18: J9.49@37.225,18.75 v1@38.088,18.75